# KiCad board AICORS_PCB.kicad_pcb
title: AICORS FPGA Board; date: 2024-11-11; rev: 2.0; company: ICDT - Bertescu Andrei
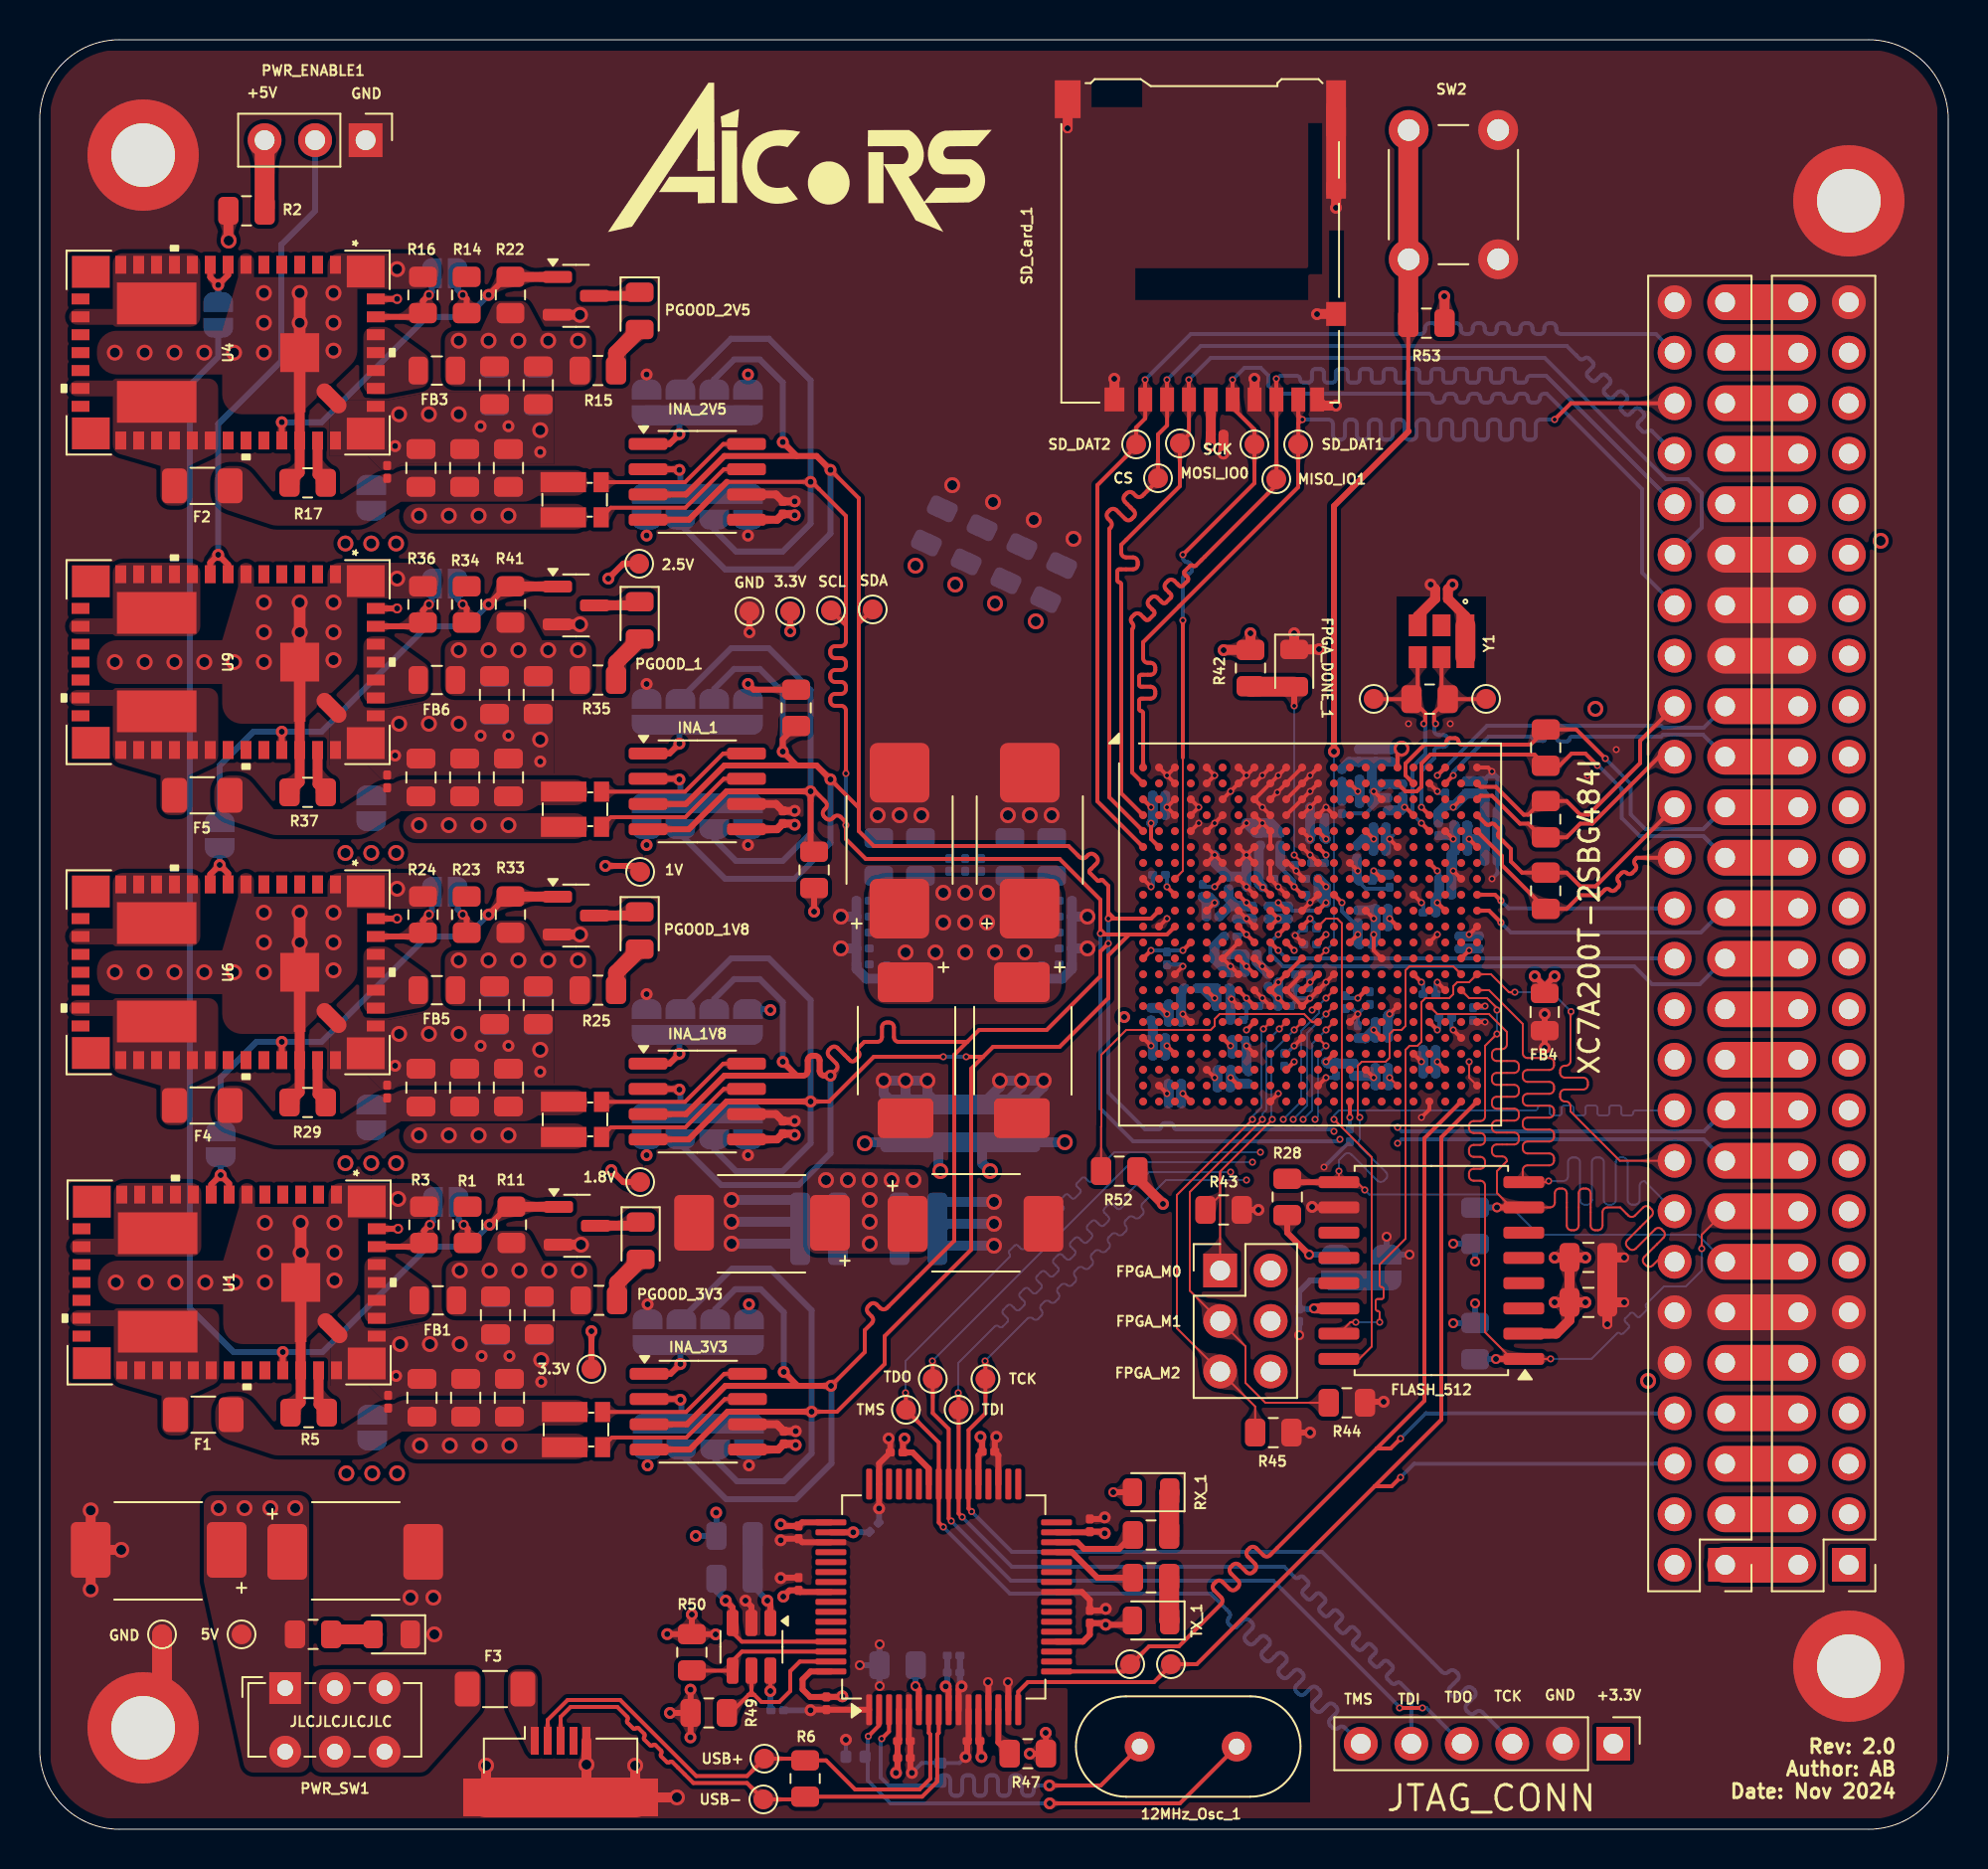
[diagram p0: board, top side]
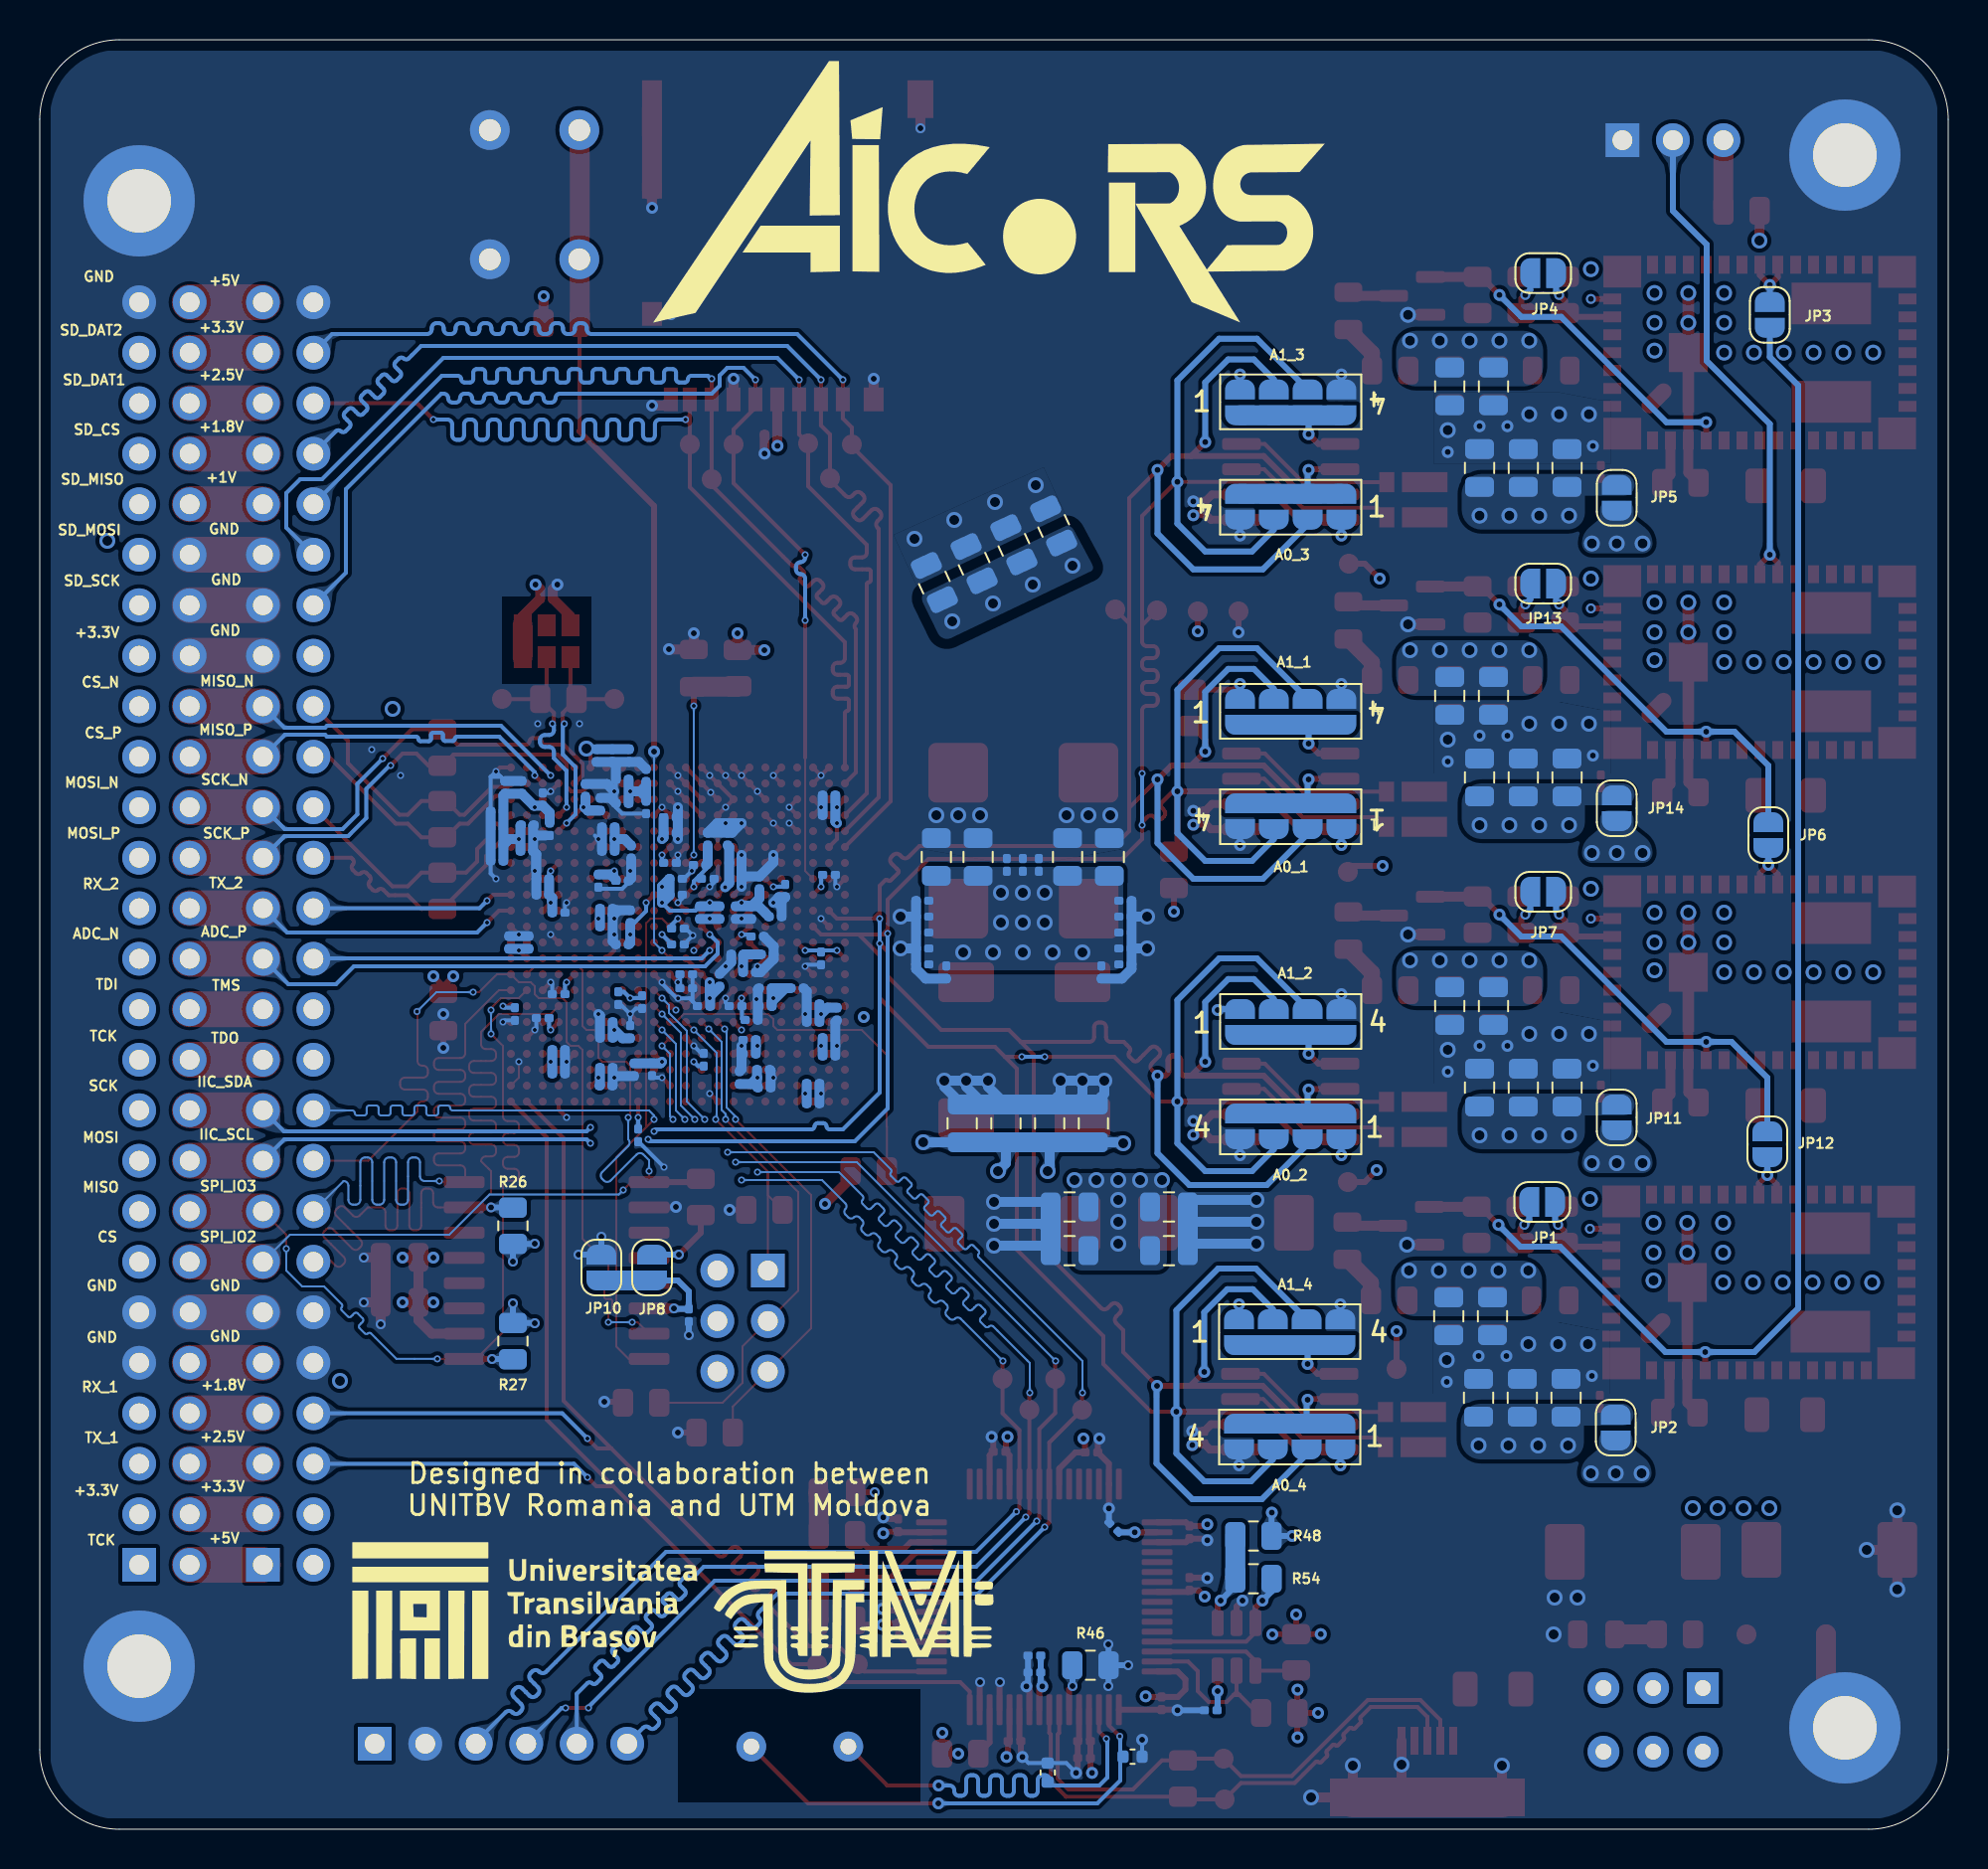
[diagram p1: board, bottom side, seen from below]

Outline 96 x 90 mm; copper layers: Top, In1.Cu (plane), In2.Cu (plane), In3.Cu (plane), In4.Cu (plane), Bottom. Coordinates in mm from the lower left corner of the outline.
Outline path: 0,4 0,86 arc(1.17,88.83) 4,90 92,90 arc(94.83,88.83) 96,86 96,4 arc(94.83,1.17) 92,0 4,0 arc(1.17,1.17) 0,4
Stack: Top 0.035mm / dielectric 0.203mm FR4 - 7621 er 4.4 / In1.Cu 0.03mm / dielectric 0.25mm FR4 er 4.6 / In2.Cu 0.03mm / dielectric 0.203mm FR4 - 7621 er 4.4 / dielectric 0.203mm FR4 - 7621 er 4.4 / In3.Cu 0.03mm / dielectric 0.25mm FR4 er 4.6 / In4.Cu 0.03mm / dielectric 0.203mm FR4 - 7621 er 4.4 / dielectric 0.203mm FR4 - 7621 er 4.4 / Bottom 0.035mm

## Placement (name value [footprint] x y rotation side)
12MHz_Osc_1  12MHz  [Crystal_HC49-U_Vertical]  55.33 4.16 0 top
A0_1  SW_Rotary_1x4_MP  [1-to-4 SolderJumper]  33.08 50.95 0 bottom  (not fitted)
A0_2  SW_Rotary_1x4_MP  [1-to-4 SolderJumper]  33.08 35.35 0 bottom  (not fitted)
A0_3  SW_Rotary_1x4_MP  [1-to-4 SolderJumper]  33.08 66.52 0 bottom  (not fitted)
A0_4  SW_Rotary_1x4_MP  [1-to-4 SolderJumper]  33.13 19.75 0 bottom  (not fitted)
A1_1  SW_Rotary_1x4_MP  [1-to-4 SolderJumper]  33.08 56.2 180 bottom  (not fitted)
A1_2  SW_Rotary_1x4_MP  [1-to-4 SolderJumper]  33.08 40.6 180 bottom  (not fitted)
A1_3  SW_Rotary_1x4_MP  [1-to-4 SolderJumper]  33.08 71.77 180 bottom  (not fitted)
A1_4  SW_Rotary_1x4_MP  [1-to-4 SolderJumper]  33.13 25 180 bottom  (not fitted)
C1  100uF  [Panasonic_D2 Tantalum Capacitor]  49.45 39.15 270 top
C2  100uF  [Panasonic_D2 Tantalum Capacitor]  43.6 39.15 270 top
C3  680uF  [Panasonic_D4 Tantalum Capacitor]  49.8 49.8 90 top
C4  680uF  [Panasonic_D4 Tantalum Capacitor]  43.25 49.8 90 top
C5  4.7uF  [C_0201_0603Metric]  50.4 43.1 270 bottom
C6  4.7uF  [C_0201_0603Metric]  51.6 43.5 0 bottom
C7  4.7uF  [C_0201_0603Metric]  51.6 46.7 0 bottom
C8  4.7uF  [C_0201_0603Metric]  42.6 43.1 270 bottom
C9  4.7uF  [C_0201_0603Metric]  62.6 41.4 0 bottom
C10  4.7uF  [C_0201_0603Metric]  61 48.6 180 bottom
C11  47uF  [C_0805_2012Metric]  48.8 48.9 90 bottom
C12  47uF  [C_0805_2012Metric]  50.9 48.9 90 bottom
C13  47uF  [C_0805_2012Metric]  44.3 48.9 90 bottom
C14  47uF  [C_0805_2012Metric]  42.2 48.9 90 bottom
C15  0.1uF  [C_0201_0603Metric]  70.51 61.89 180 top
C16  4.7uF  [C_0201_0603Metric]  61 47.8 180 bottom
C17  4.7uF  [C_0201_0603Metric]  61 46.1 270 bottom
C18  4.7uF  [C_0201_0603Metric]  63.9 45.3 180 bottom
C19  4.7uF  [C_0201_0603Metric]  60.9 44 0 bottom
C20  4.7uF  [C_0201_0603Metric]  61 41.4 0 bottom
C21  4.7uF  [C_0201_0603Metric]  60.2 40.7 180 bottom
C22  4.7uF  [C_0201_0603Metric]  41.4 43.5 180 bottom
C23  4.7uF  [C_0201_0603Metric]  41.4 46.7 180 bottom
C24  4.7uF  [C_0201_0603Metric]  45.74 48.5 90 bottom
C25  4.7uF  [C_0201_0603Metric]  46.55 48.5 90 bottom
C26  4.7uF  [C_0201_0603Metric]  41.4 45.1 180 bottom
C27  4.7uF  [C_0201_0603Metric]  51.6 44.3 0 bottom
C28  4.7uF  [C_0201_0603Metric]  51.6 45.9 0 bottom
C29  4.7uF  [C_0201_0603Metric]  59 45.9 180 bottom
C30  0.1uF  [C_0201_0603Metric]  17.53 21.5 90 top
C31  47uF  [C_0805_2012Metric]  19.23 21.7 90 top
C32  47uF  [C_0805_2012Metric]  21.43 21.7 90 top
C33  47uF  [C_0805_2012Metric]  23.63 21.7 90 top
C48  47uF  [C_0805_2012Metric]  22.93 25.8 270 bottom
C49  47uF  [C_0805_2012Metric]  25.13 25.8 270 bottom
C50  22uF  [C_0805_2012Metric]  22.93 25.85 270 top
C51  22uF  [C_0805_2012Metric]  25.13 25.85 270 top
C52  0.47uF  [C_0201_0603Metric]  51.6 45.1 0 bottom
C53  0.47uF  [C_0201_0603Metric]  59.4 44 180 bottom
C54  0.47uF  [C_0201_0603Metric]  59.8 47.6 90 bottom
C55  0.47uF  [C_0201_0603Metric]  62.8 48.5 0 bottom
C56  0.47uF  [C_0201_0603Metric]  62.4 49.8 90 bottom
C57  0.47uF  [C_0201_0603Metric]  62.4 47.8 180 bottom
C58  0.47uF  [C_0201_0603Metric]  60.2 46.1 270 bottom
C59  0.47uF  [C_0201_0603Metric]  59.9 44.9 180 bottom
C60  0.47uF  [C_0201_0603Metric]  61.8 42.7 90 bottom
C61  0.47uF  [C_0201_0603Metric]  60.3 43.1 180 bottom
C62  0.47uF  [C_0201_0603Metric]  61.4 49.8 90 bottom
C63  0.47uF  [C_0201_0603Metric]  41.4 44.3 180 bottom
C64  0.47uF  [C_0201_0603Metric]  41.4 45.9 180 bottom
C65  0.47uF  [C_0201_0603Metric]  47.36 48.5 90 bottom
C66  0.1uF  [C_0201_0603Metric]  37.43 19.7 90 top
C67  47uF  [C_0805_2012Metric]  23.63 21.7 90 bottom
C68  47uF  [C_0805_2012Metric]  21.43 21.7 90 bottom
C69  47uF  [C_0805_2012Metric]  19.23 21.7 90 bottom
C84  100uF  [Panasonic_D2 Tantalum Capacitor]  36.3 30.45 180 top
C85  100uF  [Panasonic_D2 Tantalum Capacitor]  47.1 30.5 0 top
C86  0.47uF  [C_0201_0603Metric]  61.8 46.1 270 bottom
C87  0.47uF  [C_0201_0603Metric]  62.8 46.1 270 bottom
C88  4.7uF  [C_0201_0603Metric]  63.9 44.5 180 bottom
C89  4.7uF  [C_0201_0603Metric]  59.56 37.3 180 bottom
C90  4.7uF  [C_0201_0603Metric]  67.5 39.8 0 bottom
C91  4.7uF  [C_0201_0603Metric]  57.1 36.5 180 bottom
C92  4.7uF  [C_0201_0603Metric]  63.48 42.3 180 bottom
C93  4.7uF  [C_0201_0603Metric]  65.2 38.22 270 bottom
C94  4.7uF  [C_0201_0603Metric]  59.6 38.2 180 bottom
C95  0.47uF  [C_0201_0603Metric]  67.4 50.4 0 bottom
C96  0.47uF  [C_0201_0603Metric]  66.7 51.6 0 bottom
C97  0.47uF  [C_0201_0603Metric]  71.47 50.5 180 bottom
C98  0.47uF  [C_0201_0603Metric]  71.5 49.2 180 bottom
C99  0.47uF  [C_0201_0603Metric]  67.8 51.55 90 bottom
C100  0.47uF  [C_0201_0603Metric]  66.35 54 270 bottom
C101  0.47uF  [C_0201_0603Metric]  66.25 49.15 270 bottom
C102  0.47uF  [C_0201_0603Metric]  73 50.35 0 bottom
C103  0.47uF  [C_0201_0603Metric]  65.5 51.4 270 bottom
C104  0.47uF  [C_0201_0603Metric]  68.55 52.25 90 bottom
C105  0.47uF  [C_0201_0603Metric]  68 54 270 bottom
C106  4.7uF  [C_0201_0603Metric]  67.4 49.2 0 bottom
C107  4.7uF  [C_0201_0603Metric]  70.7 51.8 90 bottom
C108  4.7uF  [C_0201_0603Metric]  72.6 52.4 90 bottom
C109  4.7uF  [C_0201_0603Metric]  73 48.7 0 bottom
C110  4.7uF  [C_0201_0603Metric]  66.7 52.8 0 bottom
C111  4.7uF  [C_0201_0603Metric]  70.35 50.3 270 bottom
C112  4.7uF  [C_0201_0603Metric]  73 49.5 0 bottom
C113  4.7uF  [C_0201_0603Metric]  73 51.2 0 bottom
C114  4.7uF  [C_0201_0603Metric]  65.5 53 90 bottom
C115  4.7uF  [C_0201_0603Metric]  67.2 54 270 bottom
C116  4.7uF  [C_0201_0603Metric]  71.75 52.4 90 bottom
C117  0.1uF  [C_0201_0603Metric]  17.48 68.27 90 top
C118  47uF  [C_0805_2012Metric]  19.18 68.47 90 top
C119  47uF  [C_0805_2012Metric]  21.38 68.47 90 top
C120  47uF  [C_0805_2012Metric]  23.58 68.47 90 top
C121  100uF  [Panasonic_D2 Tantalum Capacitor]  15.9 14 0 top
C122  100uF  [Panasonic_D2 Tantalum Capacitor]  5.95 14 180 top
C123  0.47uF  [C_0201_0603Metric]  70.7 47.8 0 bottom
C124  0.47uF  [C_0201_0603Metric]  72.4 44.6 90 bottom
C125  0.47uF  [C_0201_0603Metric]  67.9 47.7 270 bottom
C126  0.47uF  [C_0201_0603Metric]  72.1 41 270 bottom
C127  0.47uF  [C_0201_0603Metric]  65.7 41.6 270 bottom
C128  0.47uF  [C_0201_0603Metric]  58.5 47.2 270 bottom
C129  0.47uF  [C_0201_0603Metric]  56.3 48 180 bottom
C130  0.47uF  [C_0201_0603Metric]  56.3 51 0 bottom
C131  0.47uF  [C_0201_0603Metric]  70.7 47 0 bottom
C132  0.47uF  [C_0201_0603Metric]  67.5 45.4 180 bottom
C133  0.47uF  [C_0201_0603Metric]  69.9 46.1 180 bottom
C134  0.47uF  [C_0201_0603Metric]  69.9 38 180 bottom
C135  47uF  [C_0805_2012Metric]  25.08 72.63 270 top
C136  47uF  [C_0805_2012Metric]  22.88 72.63 270 top
C137  22uF  [C_0805_2012Metric]  25.08 72.57 270 bottom
C138  22uF  [C_0805_2012Metric]  22.88 72.57 270 bottom
C139  4.7uF  [C_0201_0603Metric]  66.9 41.8 270 bottom
C140  4.7uF  [C_0201_0603Metric]  56.7 43.8 270 bottom
C141  4.7uF  [C_0201_0603Metric]  71.4 44.6 90 bottom
C142  4.7uF  [C_0201_0603Metric]  66.7 44.5 0 bottom
C143  4.7uF  [C_0201_0603Metric]  66.7 47.7 180 bottom
C144  4.7uF  [C_0201_0603Metric]  67.5 46.3 180 bottom
C145  4.7uF  [C_0201_0603Metric]  66.3 45.9 90 bottom
C146  4.7uF  [C_0201_0603Metric]  69.9 42 0 bottom
C147  4.7uF  [C_0201_0603Metric]  70.7 40.8 0 bottom
C148  4.7uF  [C_0201_0603Metric]  69.9 39.2 180 bottom
C149  4.7uF  [C_0201_0603Metric]  64.3 48.6 180 bottom
C150  4.7uF  [C_0201_0603Metric]  56.3 52 0 bottom
C151  0.1uF  [C_0201_0603Metric]  37.38 66.47 90 top
C152  47uF  [C_0805_2012Metric]  19.18 68.47 90 bottom
C153  47uF  [C_0805_2012Metric]  21.38 68.47 90 bottom
C154  47uF  [C_0805_2012Metric]  23.58 68.47 90 bottom
C155  0.47uF  [C_0201_0603Metric]  55.9 41 270 bottom
C156  0.47uF  [C_0201_0603Metric]  62.6 38.7 90 bottom
C157  0.47uF  [C_0201_0603Metric]  65.9 34.9 270 bottom
C158  0.47uF  [C_0201_0603Metric]  57.1 37.5 180 bottom
C159  0.47uF  [C_0201_0603Metric]  66.1 38.2 270 bottom
C160  0.47uF  [C_0201_0603Metric]  67.5 38.3 180 bottom
C161  0.47uF  [C_0201_0603Metric]  60.3 39.7 0 bottom
C162  0.47uF  [C_0201_0603Metric]  56.3 38.9 180 bottom
C163  0.47uF  [C_0201_0603Metric]  57.1 40.6 0 bottom
C164  0.47uF  [C_0201_0603Metric]  64 47 180 bottom
C165  0.47uF  [C_0201_0603Metric]  64.3 50.9 180 bottom
C166  0.47uF  [C_0201_0603Metric]  59.5 42.3 0 bottom
C167  4.7uF  [C_0201_0603Metric]  66.3 40.1 90 bottom
C168  4.7uF  [C_0201_0603Metric]  57.9 42.3 180 bottom
C169  4.7uF  [C_0201_0603Metric]  67.5 40.6 0 bottom
C170  4.7uF  [C_0201_0603Metric]  60.8 37.8 90 bottom
C171  4.7uF  [C_0201_0603Metric]  63.48 43 180 bottom
C172  4.7uF  [C_0201_0603Metric]  67.52 37.4 180 bottom
C173  4.7uF  [C_0201_0603Metric]  60.3 39 0 bottom
C174  4.7uF  [C_0201_0603Metric]  56.3 39.8 180 bottom
C175  4.7uF  [C_0201_0603Metric]  57.1 41.5 0 bottom
C176  4.7uF  [C_0201_0603Metric]  64 47.8 180 bottom
C177  4.7uF  [C_0201_0603Metric]  64.3 50.1 180 bottom
C178  4.7uF  [C_0201_0603Metric]  59.5 41.4 0 bottom
C179  47uF  [C_0805_2012Metric]  39.2 29.1 180 bottom
C180  47uF  [C_0805_2012Metric]  44.2 31.3 0 bottom
C181  47uF  [C_0805_2012Metric]  44.2 29.1 0 bottom
C182  47uF  [C_0805_2012Metric]  39.2 31.3 180 bottom
C183  47uF  [C_0805_2012Metric]  45.2 35.5 90 bottom
C184  47uF  [C_0805_2012Metric]  43 35.5 90 bottom
C185  47uF  [C_0805_2012Metric]  49.6 35.5 90 bottom
C186  47uF  [C_0805_2012Metric]  47.4 35.5 90 bottom
C187  47uF  [C_0805_2012Metric]  45 65.55 65 bottom
C188  47uF  [C_0805_2012Metric]  47 64.6 65 bottom
C189  47uF  [C_0805_2012Metric]  49 63.65 65 bottom
C190  47uF  [C_0805_2012Metric]  51 62.7 65 bottom
C191  0.1uF  [C_0201_0603Metric]  17.48 37.1 90 top
C192  47uF  [C_0805_2012Metric]  19.18 37.3 90 top
C193  47uF  [C_0805_2012Metric]  21.38 37.3 90 top
C194  47uF  [C_0805_2012Metric]  23.58 37.3 90 top
C195  47uF  [C_0805_2012Metric]  22.88 41.4 270 bottom
C196  47uF  [C_0805_2012Metric]  25.08 41.4 270 bottom
C197  22uF  [C_0805_2012Metric]  22.88 41.45 270 top
C198  22uF  [C_0805_2012Metric]  25.08 41.45 270 top
C199  0.1uF  [C_0201_0603Metric]  37.38 35.3 90 top
C200  47uF  [C_0805_2012Metric]  23.58 37.3 90 bottom
C201  47uF  [C_0805_2012Metric]  21.38 37.3 90 bottom
C202  47uF  [C_0805_2012Metric]  19.18 37.3 90 bottom
C203  0.1uF  [C_0201_0603Metric]  63.35 25.85 270 bottom
C204  0.1uF  [C_0201_0603Metric]  59.22 70.15 0 top
C205  0.1uF  [C_0201_0603Metric]  17.48 52.7 90 top
C206  47uF  [C_0805_2012Metric]  23.58 52.9 90 top
C207  47uF  [C_0805_2012Metric]  21.38 52.9 90 top
C208  47uF  [C_0805_2012Metric]  19.18 52.9 90 top
C209  47uF  [C_0805_2012Metric]  25.08 57.05 270 top
C210  47uF  [C_0805_2012Metric]  22.88 57 270 bottom
C211  22uF  [C_0805_2012Metric]  25.08 57 270 bottom
C212  22uF  [C_0805_2012Metric]  22.88 57.05 270 top
C213  0.1uF  [C_0201_0603Metric]  37.38 50.9 90 top
C214  47uF  [C_0805_2012Metric]  23.58 52.9 90 bottom
C215  47uF  [C_0805_2012Metric]  21.38 52.9 90 bottom
C216  47uF  [C_0805_2012Metric]  19.18 52.9 90 bottom
C217  0.1uF  [C_0201_0603Metric]  47.72 18.98 0 top
C218  0.1uF  [C_0201_0603Metric]  46.97 4.44 180 top
C219  0.1uF  [C_0201_0603Metric]  39.57 6.34 270 top
C220  0.1uF  [C_0201_0603Metric]  41.97 15.19 45 bottom
C221  0.1uF  [C_0201_0603Metric]  38.17 12.34 90 top
C222  0.1uF  [C_0201_0603Metric]  52.82 10.69 90 top
C223  0.1uF  [C_0201_0603Metric]  52.82 15.28 90 top
C224  0.1uF  [C_0201_0603Metric]  43.1 18.95 180 top
C225  4.7uF  [C_0201_0603Metric]  45.97 7.89 0 bottom
C226  0.1uF  [C_0201_0603Metric]  45.97 8.74 0 bottom
C227  4.7uF  [C_0201_0603Metric]  43.47 4.44 0 top
C228  0.1uF  [C_0201_0603Metric]  43.47 3.59 0 top
C229  4.7uF  [C_0201_0603Metric]  38.17 14.94 270 top
C230  18pF  [C_0402_1005Metric]  41.03 3.65 0 bottom
C231  0.1uF  [C_0201_0603Metric]  37.1 5.98 0 bottom
C232  18pF  [C_0402_1005Metric]  45.3 2.85 270 bottom
C233  47uF  [C_0805_2012Metric]  77.9 28.76 0 top
C234  22uF  [C_0805_2012Metric]  77.9 26.5 0 top
CLK_D_R1  100  [R_0805_2012Metric]  69.91 56.84 180 top
CS_D_R1  100  [R_0805_2012Metric]  75.75 50.8 270 top
D3  GREEN_LED  [LED_0805_2012Metric]  17.7 9.8 180 top
EEPROM_1  93LC56BT-I/OT  [SOT-23-6]  35.8 9.18 270 top
F1  0466004.NRHF  [Fuse_1206_3216Metric]  8.23 20.85 0 top
F2  0466004.NRHF  [Fuse_1206_3216Metric]  8.18 67.57 0 top
F3  0466004.NRHF  [Fuse_1206_3216Metric]  22.9 7.05 0 top
F4  0466004.NRHF  [Fuse_1206_3216Metric]  8.18 36.4 0 top
F5  0466004.NRHF  [Fuse_1206_3216Metric]  8.18 52 0 top
FB1  MPZ2012S101AT000  [Fuse_0805_2012Metric]  20.03 26.6 0 top
FB3  MPZ2012S101AT000  [Fuse_0805_2012Metric]  19.98 73.37 0 top
FB4  MPZ2012S101AT000  [Fuse_0805_2012Metric]  75.7 41.1 270 top
FB5  MPZ2012S101AT000  [Fuse_0805_2012Metric]  19.98 42.2 0 top
FB6  MPZ2012S101AT000  [Fuse_0805_2012Metric]  19.98 57.8 0 top
FLASH_512  S25FL512SAGMFV010  [SOIC-16W_7.5x10.3mm_P1.27mm]  70 28.1 180 top
FPGA_DONE_1  GREEN_LED  [LED_0805_2012Metric]  63.1 58.4 270 top
H1  MountingHole  [MountingHole_3.2mm_M3_DIN965_Pad_TopBottom]  5.2 5.1 180 top  (not fitted)
H2  MountingHole  [MountingHole_3.2mm_M3_DIN965_Pad_TopBottom]  91 81.9 180 top  (not fitted)
H3  MountingHole  [MountingHole_3.2mm_M3_DIN965_Pad_TopBottom]  91 8.2 180 top  (not fitted)
H4  MountingHole  [MountingHole_3.2mm_M3_DIN965_Pad_TopBottom]  5.2 84.2 180 top  (not fitted)
INA_1  INA219BID  [SOIC-8_3.9x4.9mm_P1.27mm]  33.08 52.2 0 top
INA_1V8  INA219BID  [SOIC-8_3.9x4.9mm_P1.27mm]  33.08 36.6 0 top
INA_2V5  INA219BID  [SOIC-8_3.9x4.9mm_P1.27mm]  33.08 67.77 0 top
INA_3V3  INA219BID  [SOIC-8_3.9x4.9mm_P1.27mm]  33.13 21 0 top
J4  10104110-0001LF  [USB_Micro-B_Amphenol_10104110_Horizontal]  26.2 2.9 0 top
J10  ESQ-126-39-G-D  [PinHeader_2x26_P2.54mm_Vertical]  91 13.3 180 top
J13  TSW-106-07-L-S  [PinHeader_1x06_P2.54mm_Vertical]  79.15 4.3 270 top
J14  Conn_02x26_Counter_Clockwise  [PinHeader_2x26_P2.54mm_Vertical]  84.78 13.3 180 top  (not fitted)
JP1  SolderJumper_2_Open  [SolderJumper-2_P1.3mm_Open_RoundedPad1.0x1.5mm]  20.43 31.55 0 bottom  (not fitted)
JP2  SolderJumper_2_Open  [SolderJumper-2_P1.3mm_Open_RoundedPad1.0x1.5mm]  16.73 20.2 270 bottom  (not fitted)
JP3  SolderJumper_2_Open  [SolderJumper-2_P1.3mm_Open_RoundedPad1.0x1.5mm]  8.98 76.17 270 bottom  (not fitted)
JP4  SolderJumper_2_Open  [SolderJumper-2_P1.3mm_Open_RoundedPad1.0x1.5mm]  20.38 78.27 0 bottom  (not fitted)
JP5  SolderJumper_2_Open  [SolderJumper-2_P1.3mm_Open_RoundedPad1.0x1.5mm]  16.68 66.97 270 bottom  (not fitted)
JP6  SolderJumper_2_Open  [SolderJumper-2_P1.3mm_Open_RoundedPad1.0x1.5mm]  9.05 50 90 bottom  (not fitted)
JP7  SolderJumper_2_Open  [SolderJumper-2_P1.3mm_Open_RoundedPad1.0x1.5mm]  20.38 47.15 0 bottom  (not fitted)
JP8  SolderJumper_2_Open  [SolderJumper-2_P1.3mm_Open_RoundedPad1.0x1.5mm]  65.2 28.25 90 bottom  (not fitted)
JP10  SolderJumper_2_Open  [SolderJumper-2_P1.3mm_Open_RoundedPad1.0x1.5mm]  67.75 28.25 90 bottom  (not fitted)
JP11  SolderJumper_2_Open  [SolderJumper-2_P1.3mm_Open_RoundedPad1.0x1.5mm]  16.68 35.8 270 bottom  (not fitted)
JP12  SolderJumper_2_Open  [SolderJumper-2_P1.3mm_Open_RoundedPad1.0x1.5mm]  9.1 34.45 90 bottom  (not fitted)
JP13  SolderJumper_2_Open  [SolderJumper-2_P1.3mm_Open_RoundedPad1.0x1.5mm]  20.38 62.65 0 bottom  (not fitted)
JP14  SolderJumper_2_Open  [SolderJumper-2_P1.3mm_Open_RoundedPad1.0x1.5mm]  16.68 51.35 270 bottom  (not fitted)
MODE_1  TSW-103-07-G-D  [PinHeader_2x03_P2.54mm_Vertical]  59.38 28.1 0 top
MOSI_D_R1  100  [R_0805_2012Metric]  75.75 47.2 270 top
NT1  SHORT  [Net_tie_1mm]  14.73 25.2 135 top  (not fitted)
NT3  SHORT  [Net_tie_1mm]  14.68 71.97 135 top  (not fitted)
NT5  SHORT  [Net_tie_1mm]  14.68 40.8 135 top  (not fitted)
NT6  SHORT  [Net_tie_1mm]  14.68 56.4 135 top  (not fitted)
PGOOD_1  GREEN_LED  [LED_0805_2012Metric]  30.18 60.8 270 top
PGOOD_1V8  GREEN_LED  [LED_0805_2012Metric]  30.18 45.2 270 top
PGOOD_2V5  GREEN_LED  [LED_0805_2012Metric]  30.18 76.37 270 top
PGOOD_3V3  GREEN_LED  [LED_0805_2012Metric]  30.23 29.6 270 top
PWR_1  1V  [TestPoint_Pad_D1.0mm]  30.2 48.15 180 top  (not fitted)
PWR_1V1  1.8V  [TestPoint_Pad_D1.0mm]  30.2 32.55 0 top  (not fitted)
PWR_2V1  2.5V  [TestPoint_Pad_D1.0mm]  30.15 63.65 180 top  (not fitted)
PWR_3V1  3.3V  [TestPoint_Pad_D1.0mm]  27.75 23.15 180 top  (not fitted)
PWR_ENABLE1  TSW-103-07-G-S  [PinHeader_1x03_P2.54mm_Vertical]  16.39 84.95 270 top
PWR_SW1  EG1271  [SW_E-Switch_EG1271_SPDT]  12.34 7.1 0 top
Q1  FDV301N  [SOT-23]  27.03 30.35 0 top
Q2  FDV301N  [SOT-23]  26.97 77.12 0 top
Q3  FDV301N  [SOT-23]  26.98 45.95 0 top
Q4  FDV301N  [SOT-23]  26.98 61.55 0 top
R1  ?  [R_0805_2012Metric]  21.53 30.4 270 top  (not fitted)
R2  10k  [R_0805_2012Metric]  10.4 81.4 180 top
R3  453  [R_0805_2012Metric]  19.33 30.4 270 top
R4  200  [R_0805_2012Metric]  28.13 26.6 180 top
R5  158k  [R_0805_2012Metric]  13.53 20.95 0 top
R6  100  [R_0805_2012Metric]  38.5 2.55 90 top
R9  0.003  [R_Shunt_Vishay_WSKW0612]  26.98 20.1 0 top
R11  10k  [R_0805_2012Metric]  23.73 30.4 270 top
R14  ?  [R_0805_2012Metric]  21.48 77.17 270 top  (not fitted)
R15  200  [R_0805_2012Metric]  28.08 73.37 180 top
R16  665  [R_0805_2012Metric]  19.28 77.17 270 top
R17  324k  [R_0805_2012Metric]  13.48 67.72 0 top
R18  200  [R_0805_2012Metric]  13.75 9.8 180 top
R21  0.003  [R_Shunt_Vishay_WSKW0612]  26.91 66.87 0 top
R22  10k  [R_0805_2012Metric]  23.68 77.17 270 top
R23  ?  [R_0805_2012Metric]  21.48 46 270 top  (not fitted)
R24  1.13k  [R_0805_2012Metric]  19.28 46 270 top
R25  200  [R_0805_2012Metric]  28.08 42.2 180 top
R26  4.7k  [R_0805_2012Metric]  72.2 30.35 90 bottom
R27  4.7k  [R_0805_2012Metric]  72.2 24.55 270 bottom
R28  4.7k  [R_0805_2012Metric]  62.75 31.8 90 top
R29  324k  [R_0805_2012Metric]  13.48 36.55 0 top
R32  0.003  [R_Shunt_Vishay_WSKW0612]  26.93 35.7 0 top
R33  10k  [R_0805_2012Metric]  23.68 46 270 top
R34  ?  [R_0805_2012Metric]  21.48 61.6 270 top  (not fitted)
R35  200  [R_0805_2012Metric]  28.08 57.8 180 top
R36  5.76k  [R_0805_2012Metric]  19.28 61.6 270 top
R37  OPEN  [R_0805_2012Metric]  13.48 52.15 0 top  (not fitted)
R40  0.003  [R_Shunt_Vishay_WSKW0612]  26.93 51.3 0 top
R41  10k  [R_0805_2012Metric]  23.68 61.6 270 top
R42  200  [R_0805_2012Metric]  60.9 58.4 270 top